# Altium PCB cyber60-alps.PcbDoc (part 3 of 4)
Units mm, origin at the board's own origin, x right, y up, seen from the top; angles counter-clockwise.
Board outline 284.73 x 94.2 mm, 2 copper layers (Component Side, Bottom Layer), stack 1.571 mm thick; 243 components, 151 nets, 841 pads, 663 vias.
Unrouted connection lines stored in the file: 6.
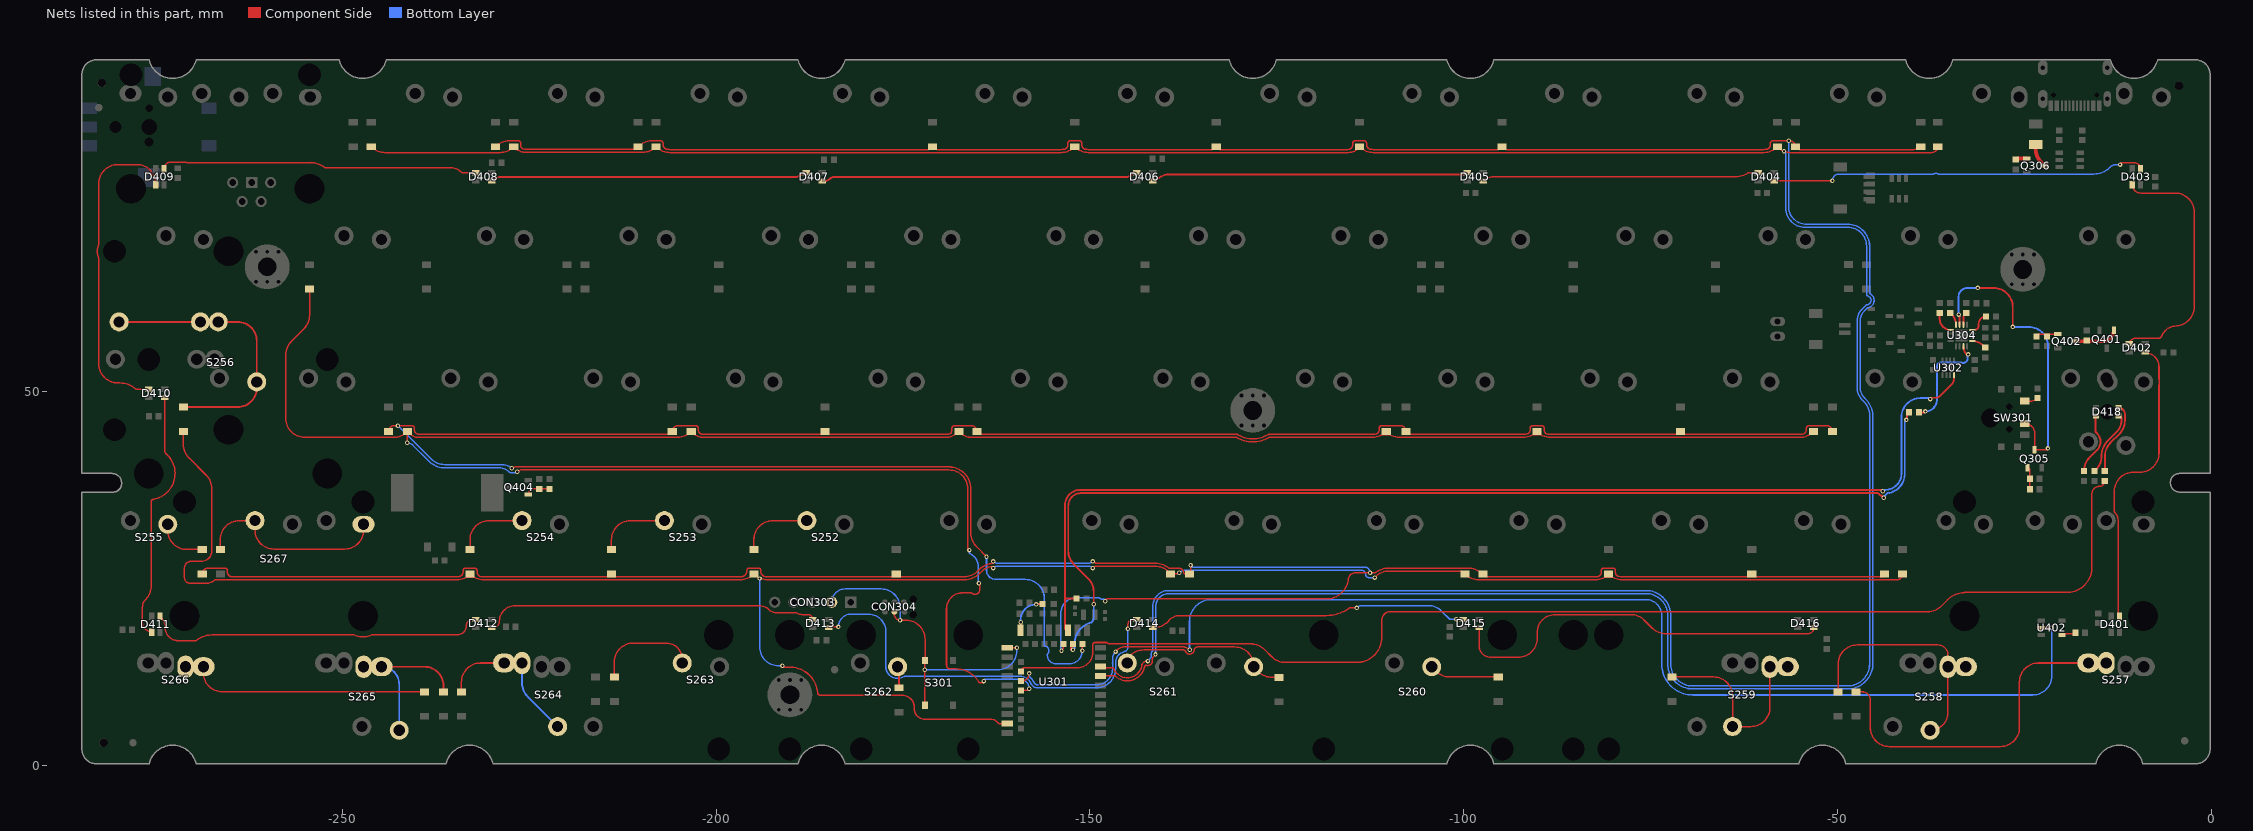
[diagram p3: the nets of this part, all layers, seen from the top]

## Via types
v1: diameter 0.6, hole 0.3, Component Side to Bottom Layer, tented both sides, 651 vias
v2: diameter 1, hole 0.5, Component Side to Bottom Layer, tented both sides, 5 vias
v3: diameter 1.5, hole 0.75, Component Side to Bottom Layer, tented both sides, 5 vias
v4: diameter 1.5, hole 0.8, Component Side to Bottom Layer, tented both sides, 2 vias

## Nets (pads, with @x,y where several pads share a name; then routed paths per layer and width w, separated by ;. In a path a pad name is that pad's centre, name@x,y a point inside that pad or via, vN(x,y) a via of type N, cw(c..) or ccw(c..) an arc to the next point about the centre after c; other vN are vias at no path point) (continued)
NetD252_1: D252.1 S252.1 | length 9.9
  Component Side w0.203: D252.1@-194.945,28.9 -194.945,30.225 cw(c-192.405,30.225) -192.405,32.765 S252.1@-187.862,32.765
NetD253_1: D253.1 S253.1 | length 9.9
  Component Side w0.203: D253.1@-213.995,28.9 -213.995,30.225 cw(c-211.455,30.225) -211.455,32.765 S253.1@-206.912,32.765
NetD254_1: D254.1 S254.1 | length 10.1
  Component Side w0.203: D254.1@-232.918,28.9 -232.918,30.225 cw(c-230.378,30.225) -230.378,32.765 S254.1@-225.962,32.765
  Component Side w0.254: S254.1@-226.272,33.075 S254.1@-226.002,33.345
NetD255_1: D255.1 S255.1 | length 6.9
  Component Side w0.203: S255.1@-273.35,32.265 -273.35,31.44 ccw(c-270.81,31.44) -270.81,28.9 D255.1@-268.732,28.9
NetD256_1: D256.1 S256.1 | length 35.1
  Component Side w0.254: S256.1@-279.861,59.345 S256.1@-268.98,59.345 ; D256.1@-271.272,47.95 -263.99,47.95 ccw(c-263.99,50.49) -261.45,50.49 S256.1@-261.45,51.315 -261.45,56.805 ccw(c-263.99,56.805) -263.99,59.345 S256.1@-266.599,59.345
NetD257_1: D257.1 S257.2 | length 45.8
  Component Side w0.203: D257.1@-47.498,9.85 -46.68,9.85 cw(c-46.68,8.763) -45.593,8.763 -45.593,5.08 ccw(c-43.053,5.08) -43.053,2.54 -28.194,2.54 ccw(c-28.194,5.08) -25.654,5.08 -25.654,11.175 cw(c-23.114,11.175) -23.114,13.715 S257.2@-16.412,13.715
NetD258_1: D258.1 S258.1 | length 32.1
  Component Side w0.203: D258.1@-49.911,9.85 -49.911,13.589 cw(c-47.371,13.589) -47.371,16.129 -36.576,16.129 cw(c-36.576,14.772) -35.219,14.772 S258.1@-35.219,13.215 -35.219,7.096 cw(c-37.6,7.096) S258.1@-37.6,4.715
NetD259_1: D259.1 S259.1 | length 25.6
  Component Side w0.203: D259.1@-72.136,11.85 -66.577,11.85 cw(c-66.577,9.31) -64.037,9.31 S259.1@-64.037,5.215 -61.577,5.215 ccw(c-61.577,7.755) -59.569,6.2 ccw(c-61.577,7.755) -59.037,7.755 S259.1@-59.037,13.215
NetD260_1: D260.1 S260.1 | length 9.4
  Component Side w0.203: S260.1@-104.28,13.215 -103.659,12.594 ccw(c-101.863,14.39) -101.863,11.85 D260.1@-95.377,11.85
NetD261_1: D261.1 S261.2 | length 23.2
  Component Side w0.203: S261.2@-144.818,14.516 -144.615,14.719 cw(c-142.819,12.923) -142.819,15.463 -137.495,15.463 cw(c-137.494,15.26) -137.493,15.463 cw(c-137.494,15.26) -137.471,15.462 cw(c-137.494,15.26) -137.454,15.459 ccw(c-137.332,16.053) -137.42,15.453 cw(c-137.552,14.594) -137.376,15.446 cw(c-137.418,15.247) -137.224,15.309 ccw(c-136.652,15.494) -137.078,15.069 ccw(c-136.652,15.494) -137.077,15.068 ccw(c-136.652,15.494) -136.652,14.892 ccw(c-136.652,15.494) -136.227,15.068 ccw(c-136.652,15.494) -136.226,15.069 ccw(c-136.652,15.494) -136.062,15.376 ; -136.062,15.377 ccw(c-136.652,15.494) -136.051,15.464 ; -136.051,15.465 cw(c-135.848,15.454) -136.044,15.509 cw(c-135.571,15.376) -135.571,15.867 -130.633,15.867 cw(c-130.633,13.327) -128.093,13.327 S261.2@-128.093,13.215 -127.417,12.539 ccw(c-125.621,14.335) -125.621,11.795 D261.1@-124.714,11.795
NetD262_1: D262.1 S262.1 | length 2.9
  Component Side w0.254: S262.1@-175.718,13.215 cw(c-175.718,13.011) -175.514,13.011 D262.1@-175.514,10.398
NetD263_1: D263.1 S263.1 | length 13.7
  Component Side w0.203: D263.1@-213.614,11.85 -213.614,13.843 cw(c-211.074,13.843) -211.074,16.383 -206.659,16.383 cw(c-206.659,14.295) S263.1@-204.571,14.295
NetD264_1: D264.1 S264.2 | length 18.9
  Component Side w0.203: D264.1@-234.061,9.85 -234.061,11.175 cw(c-231.521,11.175) -231.521,13.715 S264.2@-228.343,13.715
  Bottom Layer w0.254: S264.2@-225.962,13.715 -225.962,11.03 ccw(c-223.422,11.03) -225.218,9.234 S264.2@-221.199,5.215
NetD265_1: D265.1 S265.1 | length 20.4
  Component Side w0.254: S265.1@-244.769,13.215 -239.014,13.215 cw(c-239.014,10.675) -236.474,10.675 D265.1@-236.474,9.85
  Bottom Layer w0.254: S265.1@-244.769,13.215 cw(c-244.769,10.834) -242.388,10.834 S265.1@-242.388,4.715
NetD266_1: D266.1 S266.1 | length 31.8
  Component Side w0.203: S266.1@-268.587,13.215 -268.587,12.39 ccw(c-266.047,12.39) -266.047,9.85 D266.1@-239.014,9.85
NetD267_1: D267.1 S267.2 | length 26.9
  Component Side w0.203: D267.1@-266.319,28.9 -266.319,30.225 cw(c-263.779,30.225) -263.779,32.765 S267.2@-261.68,32.765 -261.68,31.496 ccw(c-259.14,31.496) -259.14,28.956 -249.695,28.956 ccw(c-249.695,31.496) -247.155,31.496 S267.2@-247.155,32.265
NetD401_2: D401.2 D402.4 | length 40
  Component Side w0.203: D401.2@-12.277,19.988 cw(c-12.277,20.176) -12.465,20.176 -12.465,32.632 cw(c-12.262,32.631) -12.464,32.645 ccw(c-14.031,32.765) -12.465,32.891 ccw(c-14.031,32.765) -12.513,33.172 ccw(c-14.031,32.765) -12.898,33.854 cw(c-12.751,33.994) -12.954,33.993 -12.954,36.678 cw(c-10.389,36.678) -10.389,39.243 -9.525,39.243 ccw(c-9.525,41.783) -8.749,39.365 ccw(c-9.525,41.783) -6.985,41.783 -6.985,50.945 cw(c-6.782,50.945) -6.982,50.978 ccw(c-9.031,51.315) -6.982,51.652 cw(c-6.782,51.685) -6.985,51.685 -6.985,53.347 ccw(c-8.841,53.347) D402.4@-8.524,55.176
NetD402_2: D402.2 D403.4 | length 34.9
  Component Side w0.203: D402.2@-10.971,56.303 cw(c-10.124,56.303) -10.124,57.15 -7.112,57.15 ccw(c-7.112,57.836) -6.753,57.252 ccw(c-6.859,57.425) -6.668,57.356 ccw(c-6.859,57.425) -6.667,57.357 ; D403.4@-10.55,77.685 ccw(c-9.446,77.685) -9.446,76.581 -4.826,76.581 cw(c-4.826,74.041) -2.286,74.041 -2.286,61.341 cw(c-4.826,61.341) -4.449,58.829 cw(c-4.826,61.341) -4.511,58.821 ccw(c-4.377,57.766) -4.62,58.801 ccw(c-4.62,56.627) -6.667,57.357 ; -6.426,57.836 ccw(c-4.62,56.627) -6.667,57.357
NetD403_2: D403.2 D404.4 | length 50.5
  Component Side w0.203: D404.4@-58.435,78.2 -58.403,78.232 v1(-50.673,78.232) ; v1(-12.192,80.391) cw(c-11.966,80.391) -11.966,80.617 -10.2,80.617 cw(c-10.2,80.315) -10.126,80.607 ; -10.125,80.607 ccw(c-10.076,80.804) -10.112,80.604 cw(c-10.252,79.815) D403.2@-9.45,79.815
  Bottom Layer w0.203: v1(-50.673,78.232) cw(c-49.784,78.232) -49.784,79.121 -37.973,79.121 -37.207,79.121 ccw(c-37.207,79.324) -37.112,79.145 cw(c-36.83,78.613) -36.548,79.145 ccw(c-36.453,79.324) -36.453,79.121 -35.052,79.121 -15.737,79.121 ccw(c-15.737,82.217) -14.115,79.579 ccw(c-15.737,82.217) -13.548,80.027 cw(c-12.669,79.148) -13.547,80.029 cw(c-12.669,79.148) -12.669,80.391 v1(-12.192,80.391)
NetD404_2: D404.2 D405.4 | length 37.1
  Component Side w0.203: D405.4@-97.368,78.2 cw(c-96.054,76.886) -96.054,78.744 -63.69,78.744 ccw(c-63.69,81.724) -62.008,79.265 cw(c-61.893,79.097) -61.892,79.3 D404.2@-60.565,79.3
NetD405_2: D405.2 D406.4 | length 42.4
  Component Side w0.254: D406.4@-141.585,78.2 -141.446,78.2 ccw(c-141.446,78.785) -141.033,78.371 cw(c-139.307,76.646) -139.307,79.086 -100.015,79.086 ccw(c-100.015,79.817) D405.2@-99.498,79.3
NetD406_2: D406.2 D407.4 | length 42.4
  Component Side w0.254: D407.4@-185.802,78.2 -185.475,78.2 ccw(c-185.475,79.176) -184.785,78.486 cw(c-184.222,77.923) -184.222,78.719 -145.164,78.719 ccw(c-145.164,79.808) -144.267,79.19 cw(c-144.058,79.046) -144.057,79.3 D406.2@-143.715,79.3
NetD407_2: D407.2 D408.4 | length 42.6
  Component Side w0.254: D408.4@-230.018,78.2 cw(c-228.765,76.947) -228.765,78.719 -189.422,78.719 ccw(c-189.422,79.947) -189.052,78.776 ccw(c-189.38,79.815) -188.487,79.191 cw(c-188.279,79.046) -188.277,79.3 D407.2@-187.932,79.3 cw(c-189.032,79.3) D407.2@-187.954,79.08
NetD408_2: D408.2 D409.4 | length 44
  Component Side w0.203: D409.4@-273.703,79.815 D409.4@-273.85,79.815 cw(c-272.938,79.815) -272.938,80.727 -270.974,80.727 cw(c-270.974,80.425) -270.796,80.668 ccw(c-270.677,80.833) -270.677,80.63 -261.493,80.63 -254.913,80.63 ccw(c-254.913,80.833) -254.884,80.632 cw(c-254.381,77.16) -253.704,80.603 cw(c-254.381,77.16) -252.301,79.985 ccw(c-252.18,80.149) -252.18,79.946 -238.252,79.946 -235.477,79.946 ; -236.728,79.946 -235.479,79.946 cw(c-235.479,79.39) -235.477,79.946 ; D408.2@-232.148,79.3 -233.924,79.3 cw(c-233.924,79.503) -234.069,79.361 ccw(c-235.458,78.003) -235.458,79.945 cw(c-235.46,80.149) -235.465,79.945 ccw(c-235.479,79.39) -235.477,79.946
NetD409_2: D409.2 D410.4 | length 44.1
  Component Side w0.203: -280.623,51.25 ccw(c-280.035,53.721) -280.035,51.181 ; D410.4@-275.996,50.437 D410.4@-275.893,50.334 -277.548,50.334 cw(c-277.548,50.537) -277.683,50.386 ccw(c-279.755,48.085) -279.755,51.181 -280.035,51.181 ; D409.2@-274.95,77.685 -274.95,77.85 ccw(c-277.49,77.85) -275.176,78.897 ccw(c-275.361,78.814) -275.337,79.016 cw(c-275.3,79.315) -275.602,79.315 -275.602,79.468 ccw(c-275.805,79.469) -275.658,79.609 ccw(c-277.49,77.85) -277.49,80.39 -280.035,80.39 ccw(c-280.035,77.85) -282.575,77.85 -282.575,69.818 cw(c-282.778,69.817) -282.593,69.734 ccw(c-280.465,68.783) -282.593,67.832 cw(c-282.778,67.749) -282.575,67.748 -282.575,53.721 ccw(c-280.035,53.721) -280.035,51.181
NetD410_2: D410.2 D411.4 | length 34.3
  Component Side w0.203: -276.31,22.215 ccw(c-275.287,21.193) -276.733,21.193 -276.733,19.118 ccw(c-275.55,19.118) D411.4@-275.55,17.935 ; -276.31,22.215 ccw(c-278.106,24.011) -275.566,24.011 -275.566,35.351 cw(c-275.362,35.351) -275.477,35.519 cw(c-275.003,34.824) -275.367,35.582 cw(c-275.28,35.399) -275.314,35.599 ; -275.313,35.599 ccw(c-275.888,39.06) -275.003,35.665 ccw(c-275.888,39.06) -274.204,35.982 ccw(c-275.888,39.06) -272.889,37.24 ccw(c-275.888,39.06) -272.387,38.835 ; D410.2@-273.763,49.234 -273.763,42.204 ccw(c-272.629,42.204) -273.706,41.849 ccw(c-273.513,41.912) -273.643,41.756 cw(c-275.888,39.06) -273.348,41.481 cw(c-274.682,40.147) -273.218,41.337 ccw(c-273.061,41.466) -273.216,41.334 cw(c-275.888,39.06) -272.387,38.836
NetD411_2: D411.2 D412.4 | length 45.8
  Component Side w0.203: D411.2@-274.45,20.065 -274.311,19.926 cw(c-275.822,18.415) -273.685,18.415 ccw(c-271.982,18.415) -271.984,16.712 ccw(c-271.982,18.415) -271.982,16.712 -269.623,16.712 ccw(c-269.623,16.915) -269.501,16.752 cw(c-267.311,13.831) -267.477,17.479 ; -267.476,17.479 cw(c-267.311,13.831) -267.311,17.483 -253.195,17.483 -252.984,17.483 -248.494,17.483 cw(c-248.493,17.279) -248.409,17.464 ccw(c-247.242,20.01) -246.075,17.464 cw(c-245.991,17.279) -245.99,17.483 -234.612,17.483 ccw(c-234.612,18.669) -233.426,18.669 cw(c-232.545,18.669) -232.545,19.55 D412.4@-232.148,19.55
NetD412_2: D412.2 D413.4 | length 45.4
  Component Side w0.203: D412.2@-230.018,18.45 -229.835,18.45 ccw(c-229.835,19.304) -228.981,19.304 cw(c-226.904,19.304) -226.904,21.381 -199.894,21.381 -199.725,21.381 ; D413.4@-187.065,19.55 ccw(c-187.686,19.55) -187.686,20.171 -188.341,20.171 cw(c-188.341,21.844) -189.216,20.418 ccw(c-189.321,20.244) -189.32,20.447 -192.002,20.447 cw(c-192.002,21.708) -192.893,20.816 ccw(c-194.256,19.453) -194.256,21.381 -194.844,21.381 -194.975,21.381 ccw(c-194.984,20.825) -194.993,21.381 -195.453,21.381 -199.574,21.381 ; -199.725,21.381 ccw(c-199.726,21.584) -199.723,21.381 cw(c-199.649,17.47) -199.576,21.381 ccw(c-199.573,21.584) -199.574,21.381 ; -199.725,21.381 -199.574,21.381
NetD413_2: D413.2 D414.4 | length 57.3
  Component Side w0.203: D413.2@-184.935,18.45 -184.843,18.542 v1(-183.642,18.542) ; v1(-144.907,18.288) -144.907,18.863 cw(c-144.294,18.863) -144.294,19.476 D414.4@-144.04,19.476
  Bottom Layer w0.203: v1(-183.642,18.542) cw(c-181.928,18.542) -183.353,19.494 cw(c-181.928,18.542) -181.928,20.256 -179.76,20.256 cw(c-179.76,17.716) -179.688,20.255 cw(c-179.76,17.716) -179.621,20.252 cw(c-179.621,17.921) -177.456,18.785 cw(c-179.621,17.921) -177.29,17.921 -177.29,13.215 ccw(c-175.718,13.215) -175.779,11.645 ; -176.695,11.984 ccw(c-175.718,13.215) -175.662,11.644 ; -175.661,11.644 ccw(c-175.718,13.215) -175.659,11.645 ccw(c-175.718,13.215) -174.851,11.904 cw(c-174.739,11.735) -174.74,11.938 -159.363,11.938 cw(c-159.363,10.287) -157.816,10.864 ccw(c-157.626,10.936) -157.771,10.793 -157.689,10.712 cw(c-158.115,10.287) -157.641,10.658 ccw(c-157.482,10.784) -157.627,10.642 ccw(c-157.078,11.189) -157.078,10.414 -149.105,10.414 ccw(c-149.105,12.954) -146.565,12.954 -146.565,13.578 cw(c-144.999,13.715) -146.571,13.716 cw(c-144.999,13.715) -146.419,14.389 cw(c-144.999,13.715) -145.725,15.109 cw(c-144.999,13.715) -145.287,15.26 ccw(c-145.326,15.46) -145.195,15.304 ccw(c-145.725,15.927) -144.907,15.927 v1(-144.907,18.288)
NetD414_2: D414.2 D415.4 | length 43.7
  Component Side w0.203: D414.2@-141.585,18.45 -141.406,18.45 ccw(c-141.406,20.99) -139.61,19.194 -139.53,19.273 cw(c-137.988,18.161) -139.367,19.47 cw(c-137.988,18.161) -137.988,20.063 -118.364,20.063 ccw(c-118.364,25.229) -115.513,20.921 ccw(c-118.364,25.229) -115.512,20.922 ccw(c-118.364,25.229) -115.336,21.043 ; -115.934,20.67 ccw(c-118.364,25.229) -115.336,21.043 ; v1(-114.3,21.082) -115.216,21.082 ccw(c-115.217,20.879) -115.335,21.044 ccw(c-115.217,20.879) -115.336,21.043 ; v1(-100.965,19.558) -100.073,19.558 D415.4@-100.065,19.55
  Bottom Layer w0.203: v1(-114.3,21.082) cw(c-113.541,20.323) -113.541,21.396 -104.745,21.396 cw(c-104.745,18.856) -102.948,20.652 -101.854,19.558 v1(-100.965,19.558)
NetD415_2: D415.2 D416.4 | length 53
  Component Side w0.203: D415.2@-97.935,18.45 -97.935,16.021 ccw(c-96.393,16.021) -96.393,14.479 -92.71,14.479 ccw(c-92.71,17.019) -90.17,17.019 -90.17,17.78 cw(c-87.762,17.78) -87.762,20.188 -77.629,20.188 cw(c-77.629,17.648) -75.832,19.444 -74.764,18.376 ccw(c-72.968,20.172) -72.968,17.632 -53.97,17.632 ccw(c-53.97,18.45) D416.4@-53.152,18.45
NetD418_1: D418.1 R411.2 | length 8.8
  Component Side w0.254: R411.2@-15.621,39.385 -15.412,39.594 ccw(c-17.184,41.366) -14.757,40.742 ccw(c-17.184,41.366) -14.678,41.366 cw(c-11.684,41.366) -14.642,41.829 cw(c-11.684,41.366) -13.8,43.484 -12.623,44.661 ccw(c-14.097,46.137) -12.266,45.137 ccw(c-14.097,46.137) -12.011,46.137 -12.011,46.489 ccw(c-12.265,46.487) -12.065,46.644 -12.139,46.644 D418.1@-12.412,46.765
NetD418_3: D418.3 R409.1 | length 9.9
  Component Side w0.254: R409.1@-14.224,39.385 -14.224,41.366 cw(c-11.684,41.366) -13.48,43.162 -12.301,44.341 ccw(c-14.097,46.137) -11.557,46.137 -11.557,47.009 ccw(c-12.412,47.009) D418.3@-12.412,47.865
NetD418_4: D418.4 R410.1 | length 8.3
  Component Side w0.254: R410.1@-17.018,39.385 -17.006,39.658 -17.006,39.661 cw(c-14.478,39.415) -16.275,41.21 -15.433,42.051 cw(c-15.255,41.871) -15.414,42.068 ; -15.414,42.068 ccw(c-16.412,43.315) -14.863,42.927 ccw(c-16.412,43.315) -15.161,44.307 ccw(c-16.412,43.315) -15.401,44.551 cw(c-15.239,44.747) -15.493,44.746 -15.493,46.542 D418.4@-15.412,46.765
NetF301_1: F301.1 Q306.3 | length 3.2
  Component Side w0.5: F301.1@-23.495,83.105 -23.495,82.516 ccw(c-20.955,82.516) -22.751,80.72 Q306.3@-22.295,80.264
NetL301_2: L301.2 U301.25 | length 5.5
  Component Side w0.203: U301.25@-159.263,18.106 -159.263,19.172 v1(-159.258,19.177)
  Component Side w0.254: v1@-157.226,21.59 cw(c-157.19,21.554) -157.19,21.605 L301.2@-156.337,21.605
  Bottom Layer w0.254: v1(-159.258,19.177) -159.258,19.486 cw(c-157.19,19.486) v1(-157.19,21.554)
NetQ305_1: Q305.1 R305.2 R306.1 | length 3
  Component Side w0.203: Q305.1@-24.572,39.821 cw(c-24.572,39.521) -24.272,39.521 R305.2@-24.272,36.957
NetQ305_3: Q305.3 SW301.2 U304.15 | length 41.8
  Component Side w0.203: SW301.2@-24.925,45.75 cw(c-24.925,44.447) -23.622,44.447 Q305.3@-23.622,42.221 -22.041,42.221 ccw(c-22.041,42.418) v1(-21.844,42.418)
  Component Side w0.254: v1(-33.782,60.325) cw(c-34.098,60.009) -33.651,60.009 U304.15@-33.651,58.981 ; v1(-31.242,63.881) -29.108,63.881 cw(c-29.108,61.316) -26.543,61.316 v1(-26.543,58.674)
  Bottom Layer w0.254: v1(-33.782,60.325) -33.782,62.738 cw(c-32.639,62.738) -32.639,63.881 v1(-31.242,63.881) ; v1(-26.543,58.674) -24.409,58.674 cw(c-24.409,56.109) -21.844,56.109 v1(-21.844,42.418)
NetQ306_1: Q306.1 R315.1 | length 1.5
  Component Side w0.5: R315.1@-26.162,81.041 cw(c-25.744,80.623) -25.744,81.214 Q306.1@-24.695,81.214
NetQ401_1: Q401.1 Q402.3 R402.1 | length 5.9
  Component Side w0.5: Q402.3@-18.104,56.769 -14.474,56.769 ccw(c-14.474,58.223) Q401.1@-13.02,58.223
NetQ402_1: Q402.1 R401.2 R403.1 | length 3
  Component Side w0.203: R401.2@-23.368,57.419 cw(c-23.068,57.419) -23.068,57.719 Q402.1@-20.504,57.719
NetQ404_1: Q404.1 R406.1 R407.1 | length 3.3
  Component Side w0.203: Q404.1@-225.114,36.261 cw(c-224.357,36.261) -224.357,37.018 R407.1@-223.678,37.018 R406.1@-222.281,37.018
NetR307_1: R307.1 U304.14 | length 1.7
  Component Side w0.254: U304.14@-33.151,58.981 -33.151,59.941 cw(c-32.27,59.941) R307.1@-32.893,60.564
NetR308_1: R308.1 U304.12 | length 3
  Component Side w0.254: U304.12@-31.951,58.281 -31.635,58.281 ccw(c-31.635,58.801) -31.115,58.801 -31.115,59.07 cw(c-30.114,59.07) R308.1@-30.114,60.071
NetR310_1: R310.1 U304.16 | length 1.8
  Component Side w0.254: R310.1@-34.925,60.564 -34.723,60.362 cw(c-36.104,58.981) U304.16@-34.151,58.981
NetR311_1: R311.1 SW301.1 | length 1.8
  Component Side w0.203: SW301.1@-24.925,48.75 -24.168,48.75 ccw(c-24.168,50.061) R311.1@-23.241,49.134
NetR312_1: R312.1 U304.9 | length 2
  Component Side w0.254: U304.9@-31.951,56.781 cw(c-31.951,54.755) -30.519,56.188 R312.1@-30.226,55.895
NetR313_1: R313.1 U304.1 | length 3.1
  Component Side w0.254: R313.1@-36.322,60.564 -36.322,59.752 ccw(c-34.851,59.752) U304.1@-34.851,58.281
NetR314_1: R314.1 U304.7 | length 14.5
  Component Side w0.254: R314.1@-39.101,47.244 -38.352,47.244 ccw(c-38.352,47.371) v1(-38.225,47.371) ; U304.7@-33.151,56.081 ccw(c-31.449,56.081) -32.652,54.877 v1@-32.639,54.864
  Bottom Layer w0.254: v1@-38.227,47.371 v1(-38.225,47.371) ccw(c-38.225,48.893) -36.703,48.893 -36.703,53.34 cw(c-36.115,53.34) -36.115,53.928 -33.493,53.928 ccw(c-33.2,54.483) -32.61,54.696 cw(c-32.371,54.78) v1(-32.512,54.991)
NetR404_2: R404.2 U402.4 | length 2.1
  Component Side w0.203: U402.4@-20.016,17.337 cw(c-19.707,17.028) U402.4@-19.707,17.465 ; U402.4@-19.707,17.465 cw(c-19.253,17.011) -19.253,17.653 R404.2@-18.049,17.653
P0.02/AIN0: D201.2 D203.2 D205.2 D207.2 D209.2 D211.2 D213.2 U301.7 | length 403.1
  Component Side w0.203: D213.2@-229.489,82.78 -229.429,82.84 cw(c-227.686,81.097) -227.686,83.562 -226.466,83.562 cw(c-226.466,83.235) -226.139,83.235 -226.139,82.947 ccw(c-225.619,82.947) -225.886,82.5 ccw(c-225.78,82.674) -225.825,82.476 ccw(c-225.379,84.477) -225.379,82.427 -211.207,82.427 ccw(c-211.301,83.642) D211.2@-210.536,82.693 ; D211.2@-210.439,82.78 cw(c-211.301,83.642) D211.2@-210.536,82.693 ; U301.7@-148.25,12 -146.728,12 cw(c-146.727,11.797) -146.591,11.948 ccw(c-144.999,13.715) -144.866,11.341 ccw(c-144.999,13.715) -142.777,12.868 ccw(c-144.999,13.715) -142.67,13.24 cw(c-142.47,13.199) -142.412,13.394 ccw(c-142.24,13.97) -141.833,13.527 ccw(c-142.24,13.97) -141.668,14.156 ; -141.832,13.528 ccw(c-142.24,13.97) -141.668,14.156 ; v1(-141.224,14.859) -141.269,14.814 ccw(c-139.531,13.075) -141.65,14.322 ccw(c-141.475,14.219) -141.678,14.219 ccw(c-141.475,14.219) -141.668,14.156 ; D201.2@-38.862,82.78 cw(c-39.777,83.695) -39.777,82.401 -51.054,82.401 -55.057,82.401 cw(c-55.057,82.604) -55.155,82.426 cw(c-54.151,84.255) D203.2@-55.626,82.78 ccw(c-56.408,82.78) -56.408,83.562 -58.649,83.562 ccw(c-58.649,83.235) -58.976,83.235 -58.976,83.034 cw(c-59.609,83.034) -59.282,82.492 cw(c-59.386,82.667) -59.335,82.47 cw(c-59.873,84.538) -59.873,82.401 -91.313,82.401 -94.243,82.401 cw(c-94.243,82.604) -94.319,82.416 cw(c-93.701,83.948) D205.2@-94.869,82.78 cw(c-96.344,84.255) -95.341,82.426 cw(c-95.438,82.604) -95.438,82.401 -97.917,82.401 -112.085,82.401 cw(c-112.085,84.538) -112.625,82.471 cw(c-112.572,82.667) -112.68,82.495 cw(c-112.349,83.034) -112.982,83.034 -112.982,83.235 ccw(c-113.309,83.235) -113.309,83.562 -114.529,83.562 ccw(c-114.529,83.235) -114.856,83.235 -114.856,83.034 cw(c-115.489,83.034) -115.489,82.401 -127,82.401 -132.553,82.401 cw(c-132.553,82.604) -132.662,82.433 cw(c-131.314,84.562) D207.2@-133.096,82.78 cw(c-134.571,84.255) -133.568,82.426 cw(c-133.665,82.604) -133.665,82.401 -136.271,82.401 -150.185,82.401 cw(c-150.185,84.538) -150.725,82.471 cw(c-150.672,82.667) -150.78,82.495 cw(c-150.449,83.034) -151.082,83.034 -151.082,83.235 ccw(c-151.409,83.235) -151.409,83.562 -152.629,83.562 ccw(c-152.629,83.235) -152.956,83.235 -152.956,83.034 cw(c-153.589,83.034) -153.262,82.492 cw(c-153.366,82.667) -153.315,82.47 cw(c-153.853,84.538) -153.853,82.401 -169.418,82.401 -170.443,82.401 cw(c-170.443,82.604) -170.519,82.416 cw(c-169.901,83.948) D209.2@-171.069,82.78 cw(c-172.544,84.255) -171.541,82.426 cw(c-171.638,82.604) -171.638,82.401 -173.482,82.401 -206.192,82.401 cw(c-206.192,84.538) -206.732,82.471 cw(c-206.679,82.667) -206.787,82.495 cw(c-206.456,83.034) -207.089,83.034 -207.089,83.235 ccw(c-207.416,83.235) -207.416,83.562 -208.636,83.562 ccw(c-208.636,81.307) -210.23,82.902 -210.439,82.693 D211.2@-210.536,82.693
  Bottom Layer w0.203: v1(-141.224,14.859) cw(c-141.094,15.015) -141.268,15.12 ccw(c-141.786,15.435) -141.18,15.437 -141.18,21.276 cw(c-139.446,21.276) -141.097,21.803 cw(c-139.446,21.276) -140.646,22.527 cw(c-139.446,21.276) -139.757,22.981 cw(c-139.446,21.276) -139.446,23.009 -75.648,23.009 cw(c-75.648,20.066) -73.805,22.361 cw(c-75.648,20.066) -72.704,20.066 -72.704,15.367 -72.704,14.986 -72.704,13.589 ccw(c-69.358,13.589) -72.704,13.585 ccw(c-69.358,13.589) -72.315,12.022 ccw(c-69.358,13.589) -71.567,11.075 ccw(c-69.358,13.589) -71.169,10.775 ccw(c-69.358,13.589) -69.358,10.243 -48.641,10.243 ccw(c-48.641,13.589) -46.275,11.223 ccw(c-48.641,13.589) -45.437,12.622 cw(c-45.243,12.563) -45.428,12.647 ccw(c-46.736,13.252) -45.295,13.252 -45.295,46.854 ccw(c-48.269,46.854) -46.168,48.959 -46.356,49.147 cw(c-44.88,50.624) -46.931,50.236 cw(c-46.731,50.272) -46.933,50.246 cw(c-45.212,50.455) -46.946,50.455 -46.946,59.527 cw(c-45.212,59.527) -46.436,60.755 -45.999,61.192 cw(c-45.856,61.047) -45.898,61.246 ccw(c-46.101,62.23) -45.598,63.1 cw(c-45.495,63.275) -45.698,63.274 -45.698,69.469 ccw(c-48.641,69.469) -48.641,72.412 -54.102,72.412 cw(c-54.102,74.952) -56.328,73.729 cw(c-56.149,73.825) -56.337,73.748 cw(c-54.356,74.549) -56.493,74.549 -56.493,83.544 ccw(c-56.515,83.544) v1(-56.515,83.566)
P0.05: R303.2 U301.15 U302.8 | length 150.8
  Component Side w0.254: U301.15@-152.913,18.106 -153.186,18.224 -153.293,18.224 cw(c-153.095,18.382) -153.347,18.406 ccw(c-154.183,18.492) -153.343,18.492 -153.343,22.352 ; R303.2@-151.78,22.352 -153.343,22.352 ; v1@-43.942,36.884 -151.232,36.884 ccw(c-151.232,34.773) -153.343,34.773 -153.343,22.352 ; v1(-37.592,49.022) cw(c-37.155,48.585) -37.155,49.203 -36.834,49.203 ccw(c-36.834,49.978) -36.286,49.43 -34.73,50.986 ccw(c-35.457,51.713) -34.429,51.713 U302.8@-34.429,52.268
  Bottom Layer w0.254: v1(-43.942,36.703) ccw(c-43.942,36.957) -43.747,36.794 cw(c-43.553,36.63) -43.555,36.884 ccw(c-43.561,38.989) -43.421,36.889 ccw(c-43.561,38.989) -41.456,38.989 -41.456,46.584 cw(c-38.891,46.584) -38.891,49.149 -37.719,49.149 -37.645,49.075 v1(-37.592,49.022)
P0.06: R314.2 U301.14 | length 146
  Component Side w0.203: v1@-152.527,15.494 -152.527,16.002 U301.14@-152.273,16.256
  Component Side w0.254: v1(-149.479,21.59) -149.479,23.205 ccw(c-152.019,23.205) -150.223,25.001 -152.145,26.923 cw(c-150.349,28.719) -152.889,28.719 -152.889,34.773 cw(c-151.232,34.773) -151.232,36.43 -44.647,36.43 cw(c-44.648,36.176) -44.445,36.328 ccw(c-43.942,36.703) -44.147,36.111 cw(c-44.231,35.871) -44.052,36.051 v1(-43.815,35.814) ; v1(-40.767,46.228) -40.674,46.321 -40.674,46.971 R314.2@-40.401,47.244
  Bottom Layer w0.254: v1(-152.273,15.494) ccw(c-152.321,15.743) -152.067,15.742 -152.067,16.256 cw(c-149.098,16.256) -150.304,18.969 cw(c-149.098,16.256) -149.852,19.127 ccw(c-149.918,19.372) -149.748,19.184 ccw(c-150.304,19.793) -149.479,19.793 v1(-149.479,21.59) ; v1(-43.815,35.814) cw(c-43.508,35.814) -43.725,36.031 -43.314,36.442 ccw(c-43.561,38.989) -41.002,38.989 -41.002,45.919 cw(c-40.748,45.918) -40.872,46.139 ccw(c-41.021,46.408) -40.804,46.191 v1(-40.767,46.228)
P0.08: D243.2 D245.2 D247.2 D249.2 D251.2 D253.2 D255.2 U301.16 | length 285
  Component Side w0.203: D255.2@-268.732,25.63 cw(c-267.95,25.63) -267.95,26.412 -265.709,26.412 cw(c-265.709,26.085) -265.382,26.085 -265.382,25.917 -265.382,25.86 ccw(c-264.795,25.86) -264.795,25.273 -234.466,25.273 ccw(c-234.466,25.884) -233.855,25.884 -233.855,26.085 cw(c-233.528,26.085) -233.528,26.412 -232.308,26.412 cw(c-232.308,26.085) -231.981,26.085 -231.981,25.884 ccw(c-231.348,25.884) -231.679,25.345 ccw(c-231.571,25.517) -231.624,25.321 ccw(c-231.084,27.388) -231.084,25.251 -213.995,25.251 -199.136,25.251 -196.78,25.251 ccw(c-196.78,27.388) -196.61,25.258 ccw(c-196.716,26.085) -195.882,26.085 cw(c-195.555,26.085) -195.555,26.412 -194.335,26.412 cw(c-194.335,26.085) -194.008,26.085 -194.008,25.882 ccw(c-193.384,25.882) -193.951,25.622 ccw(c-193.767,25.708) -193.873,25.535 cw(c-194.183,25.019) -193.701,25.38 ccw(c-193.54,25.502) -193.586,25.305 ccw(c-193.111,27.388) -193.293,25.259 ; -193.277,25.258 -166.802,25.258 ccw(c-166.802,27.798) -165.006,26.002 -164.719,26.289 cw(c-162.923,24.493) v1@-162.923,27.033 ; v1(-153.797,15.367) -153.797,15.415 -153.543,15.669 U301.16@-153.543,16.256 ; v1(-149.606,27.305) cw(c-149.606,26.998) -149.389,27.215 -149.297,27.123 ccw(c-149.154,27.268) -149.133,27.065 cw(c-148.993,25.803) -148.993,27.073 -141.284,27.073 cw(c-141.284,24.13) -139.448,26.43 ccw(c-139.322,26.59) -139.323,26.387 -138.053,26.387 -138.049,26.383 cw(c-138.049,25.781) -137.449,25.828 ccw(c-137.247,25.846) -137.269,25.644 ccw(c-137.002,28.17) D249.2@-137.161,25.635 ; v1(-147.955,21.971) cw(c-147.641,21.971) -147.641,22.285 -118.364,22.285 ccw(c-118.364,25.229) -117.029,22.606 ccw(c-118.364,25.229) -115.831,23.73 ccw(c-118.364,25.229) -115.464,24.726 ccw(c-118.364,25.229) -115.453,24.795 cw(c-115.252,24.765) -115.453,24.796 cw(c-115.252,24.765) -115.434,24.855 cw(c-114.508,24.855) -114.508,25.781 v1(-112.522,25.781) -111.864,25.781 ccw(c-111.864,25.984) -111.741,25.822 cw(c-109.968,23.473) -109.968,26.416 -99.402,26.416 cw(c-99.402,23.876) -97.606,25.672 -97.564,25.63 D247.2@-97.409,25.63 ccw(c-96.241,26.798) -96.859,25.266 ccw(c-96.783,25.454) -96.783,25.251 -92.583,25.251 -82.403,25.251 ccw(c-82.403,27.388) -82.015,25.287 ccw(c-82.052,25.487) -81.976,25.298 ccw(c-82.215,25.884) -81.582,25.884 -81.582,26.085 cw(c-81.255,26.085) -81.255,26.412 -80.035,26.412 cw(c-80.035,26.085) -79.708,26.085 -79.708,25.884 ccw(c-79.075,25.884) -79.406,25.345 ccw(c-79.298,25.517) -79.351,25.321 ccw(c-78.811,27.388) -79.243,25.295 ccw(c-78.811,27.388) -78.811,25.251 -50.546,25.251 -43.915,25.251 ccw(c-43.915,25.454) -43.719,25.4 ccw(c-44.553,25.63) D243.2@-43.688,25.63 ; D249.2@-137.16,25.635 -137.002,25.63 D249.2@-136.652,25.63 ccw(c-136.958,25.936) -136.525,25.936 v1(-136.525,26.797)
  Bottom Layer w0.203: v1(-162.941,27.305) ccw(c-162.753,27.383) v1@-162.898,27.24 ; v1(-162.941,27.305) ccw(c-162.381,27.865) -162.381,27.073 -150.166,27.073 ccw(c-150.166,27.865) v1(-149.606,27.305) ; v1(-153.797,15.367) cw(c-153.797,15.472) -153.902,15.472 -153.902,20.32 cw(c-151.765,20.32) -153.337,21.767 cw(c-153.189,21.629) -153.333,21.772 -153.217,21.888 cw(c-153.074,21.744) -153.212,21.892 cw(c-151.765,20.32) -151.765,22.457 -148.864,22.457 cw(c-148.865,22.254) -148.732,22.407 ccw(c-148.336,22.86) -148.202,22.273 cw(c-148.158,22.075) -147.955,22.076 v1(-147.955,21.971) ; v1@-136.398,26.543 -113.284,26.543 cw(c-113.284,25.781) v1(-112.522,25.781)
P0.09/NFC1: D244.2 D246.2 D248.2 D250.2 D252.2 D254.2 D256.2 U301.41 | length 306.8
  Component Side w0.203: D256.2@-271.272,44.68 -271.272,42.962 ccw(c-268.732,42.962) -270.528,41.166 -268.206,38.844 cw(c-270.002,37.048) -267.462,37.048 -267.462,28.702 cw(c-268.859,28.702) -268.859,27.305 -270.256,27.305 ccw(c-270.256,26.443) -271.118,26.443 -271.118,25.115 ccw(c-270.397,25.115) -270.397,24.394 -268.077,24.394 ccw(c-268.077,25.747) -267.121,24.79 cw(c-266.979,24.645) -266.978,24.848 -234.676,24.848 ccw(c-234.676,27.388) D254.2@-233.428,25.176 ; D254.2@-232.88,25.592 cw(c-234.676,27.388) D254.2@-233.428,25.176 ; v1(-191.135,13.335) ccw(c-190.952,13.335) -190.952,13.152 -190.258,13.152 cw(c-190.119,9.45) -187.337,11.897 cw(c-190.119,9.45) -186.426,9.748 cw(c-190.119,9.45) -186.423,9.708 ccw(c-186.221,9.724) -186.42,9.687 ccw(c-186.098,9.748) -186.098,9.42 -175.112,9.42 cw(c-175.112,7.812) -173.504,7.812 -173.504,7.62 ccw(c-172.085,7.62) -172.085,6.201 -163.278,6.201 cw(c-163.278,4.953) -162.263,5.68 ccw(c-162.099,5.799) -162.1,5.596 U301.41@-161.063,5.596 ; v1@-162.923,26.63 ccw(c-162.923,24.493) -164.433,26.004 -164.721,25.716 cw(c-166.802,27.798) -164.892,25.559 cw(c-166.802,27.798) -166.802,24.855 -168.475,24.855 ccw(c-168.476,24.652) -168.526,24.849 -168.529,24.848 -193.111,24.848 cw(c-193.111,27.388) -194.907,25.592 D252.2@-194.945,25.63 -194.984,25.592 cw(c-196.78,27.388) -196.78,24.848 -231.084,24.848 cw(c-231.084,27.388) -232.332,25.176 D254.2@-233.428,25.176 ; v1(-149.606,26.416) cw(c-148.993,25.803) -148.993,26.67 -141.284,26.67 cw(c-141.284,24.13) -139.488,25.926 D250.2@-139.192,25.63 -138.414,25.63 ccw(c-138.414,26.146) v1(-138.049,25.781) ; v1(-111.887,25.146) -111.764,25.269 cw(c-109.968,23.473) -109.968,26.013 -100.746,26.013 cw(c-100.746,24.706) D248.2@-99.822,25.63 -99.762,25.57 ccw(c-98.019,27.313) -98.019,24.848 -82.403,24.848 ccw(c-82.403,27.388) D246.2@-81.155,25.176 ; D246.2@-80.607,25.592 cw(c-82.403,27.388) D246.2@-81.155,25.176 ; D244.2@-41.275,25.63 cw(c-42.057,25.63) -42.057,24.848 -78.811,24.848 cw(c-78.811,27.388) -80.059,25.176 D246.2@-81.155,25.176
  Bottom Layer w0.203: v1(-194.183,25.019) -194.183,15.875 ccw(c-191.643,15.875) -191.643,13.335 v1(-191.135,13.335) ; v1(-162.941,26.416) cw(c-162.328,25.803) -162.328,26.67 -150.219,26.67 cw(c-150.219,25.803) v1(-149.606,26.416) ; v1(-138.049,25.781) cw(c-137.183,24.915) -137.183,26.14 -113.688,26.14 cw(c-113.688,25.564) -113.112,25.564 ccw(c-112.694,25.564) -112.694,25.146 v1(-111.887,25.146)
P0.17: R409.2 U301.30 | length 166.9
  Component Side w0.203: U301.30@-159.213,12.581 cw(c-158.713,12.581) -158.713,13.081 -151.672,13.081 ccw(c-151.672,15.138) -149.615,15.138 -149.615,16.156 cw(c-149.313,16.156) -149.313,16.458 -147.813,16.458 cw(c-147.813,16.156) -147.578,16.345 ccw(c-147.42,16.473) -147.421,16.27 -128.447,16.27 cw(c-128.447,13.73) -126.651,15.526 -125.668,14.543 ccw(c-123.871,16.339) -123.871,13.799 -114.3,13.799 ccw(c-114.3,17.145) -111.729,15.003 ccw(c-114.3,17.145) -110.954,17.145 -110.954,18.078 cw(c-110.75,18.077) -110.951,18.108 ccw(c-111.633,18.216) -110.943,18.216 -110.943,19.59 cw(c-109.793,19.431) -110.636,20.229 cw(c-110.489,20.088) -110.615,20.248 ; -110.615,20.248 -110.576,20.278 ccw(c-110.947,20.758) -110.519,20.329 -110.493,20.354 cw(c-110.35,20.209) -110.471,20.373 cw(c-109.793,19.431) -110.358,20.445 cw(c-110.26,20.267) -110.345,20.451 ; -110.345,20.451 -110.3,20.472 ccw(c-110.557,21.022) -110.284,20.48 -110.248,20.498 cw(c-110.158,20.316) -110.237,20.503 cw(c-109.793,19.431) -109.793,20.592 -37.889,20.592 ccw(c-37.889,23.132) -36.093,21.336 -35.286,22.143 ccw(c-35.43,22.287) -35.282,22.147 cw(c-32.994,20.01) -33.076,23.14 ccw(c-33.082,23.343) -33.032,23.145 -33.021,23.148 ; -33.02,23.149 -19.329,23.149 ccw(c-19.329,25.973) -19.326,23.149 -19.162,23.149 cw(c-19.111,22.952) -19.124,23.155 ccw(c-19.329,26.521) -15.964,26.316 cw(c-15.761,26.302) -15.958,26.354 -15.958,27.771 -15.958,36.366 cw(c-14.986,36.366) -14.986,37.338 -14.971,37.338 ccw(c-14.971,38.085) R409.2@-14.224,38.085
P0.18/RESET: CON303.2 CON304.3 S301.2 U301.26 | length 43.9
  Component Side w0.203: CON304.3@-176.149,20.574 -176.149,20.193 ccw(c-175.387,20.193) v1(-175.387,19.431) -174.595,19.431 cw(c-174.595,16.891) -172.055,16.891 S301.2@-172.055,14.049 ccw(c-172.055,14.019) -172.085,14.019 v1(-172.085,12.827) -172.085,8.121 ccw(c-171.983,8.121) S301.2@-172.055,8.049 ; U301.26@-161.063,15.756 -159.766,15.756 v1(-159.766,15.748)
  Bottom Layer w0.203: CON303.2@-184.531,21.844 cw(c-182.753,21.844) -182.753,23.622 -177.927,23.622 cw(c-177.927,21.082) -175.387,21.082 v1(-175.387,19.431) ; v1(-172.085,12.827) -162.306,12.827 ccw(c-162.306,15.367) -159.766,15.367 v1(-159.766,15.748)
P0.20: U301.32 U402.2 | length 168.3
  Component Side w0.203: U301.32@-159.213,11.311 -159.123,11.311 ccw(c-159.123,12.319) v1(-158.115,12.319) ; v1(-146.558,15.24) -146.297,15.501 cw(c-145.415,14.62) -145.415,15.867 -137.496,15.867 cw(c-137.494,15.26) -137.384,15.856 ccw(c-137.349,16.057) -137.379,15.856 ; -137.472,15.867 cw(c-137.472,15.463) -137.38,15.856 ; v1(-136.652,15.494) ccw(c-137.552,14.594) -137.362,15.852 cw(c-137.332,16.053) -137.379,15.856 ; U402.2@-22.457,18.415 v1(-21.336,18.415)
  Bottom Layer w0.203: v1(-158.115,12.319) -158.115,12.015 ccw(c-157.912,12.016) -158.043,11.861 cw(c-159.363,10.287) -157.85,11.677 ccw(c-157.701,11.815) -157.846,11.672 -157.775,11.601 cw(c-157.918,11.457) -157.73,11.533 ; -157.77,11.584 cw(c-159.363,10.287) -157.73,11.533 ; -157.342,10.929 ccw(c-158.115,10.287) -157.405,10.998 ; -157.334,10.919 ccw(c-158.115,10.287) -157.342,10.929 ; v1(-146.558,15.24) ccw(c-145.567,14.249) -146.725,15.038 ccw(c-145.567,14.249) -146.968,14.249 -146.968,13.875 cw(c-147.172,13.876) -146.969,13.862 ccw(c-144.999,13.715) -146.968,13.562 -146.968,12.942 cw(c-149.105,12.954) -149.105,10.817 -157.078,10.817 cw(c-157.078,11.189) -157.318,10.905 cw(c-157.186,11.06) -157.342,10.929 ; v1(-136.652,15.494) -136.674,15.516 -136.674,19.26 cw(c-133.731,19.26) -135.367,21.706 ccw(c-135.48,21.875) -135.36,21.711 cw(c-133.858,19.663) -133.858,22.203 -75.648,22.203 cw(c-75.648,20.066) -74.157,21.597 cw(c-75.648,20.066) -73.511,20.066 -73.511,14.351 -73.511,13.589 ccw(c-69.358,13.589) -73.511,13.583 ccw(c-69.358,13.589) -73.015,11.621 ccw(c-69.358,13.589) -71.717,10.171 ccw(c-69.358,13.589) -69.358,9.436 -23.876,9.436 ccw(c-23.876,11.976) -21.336,11.976 v1(-21.336,18.415) ; -157.73,11.533 cw(c-159.363,10.287) -157.469,11.082 ; -157.73,11.533 cw(c-159.363,10.287) -157.469,11.082 ; -157.469,11.082 ccw(c-157.282,11.162) -157.427,11.02 ; -157.469,11.082 ccw(c-157.282,11.162) -157.427,11.02 ; -157.427,11.02 -157.405,10.998 ; -157.405,10.998 cw(c-158.115,10.287) -157.342,10.929
P0.22: D230.2 D232.2 D234.2 D236.2 D238.2 D240.2 D242.2 U301.34 | length 348.2
  Component Side w0.203: D242.2@-254.381,63.73 -254.381,60.234 cw(c-256.921,60.234) -255.125,58.438 -256.812,56.751 ccw(c-255.016,54.955) -257.556,54.955 -257.556,46.438 ccw(c-255.016,46.438) -255.016,43.898 -243.134,43.898 ccw(c-243.134,46.438) -241.338,44.642 D240.2@-241.3,44.68 ; v1(-241.3,43.18) D240.2@-241.3,44.68 ; v1(-226.6,39.3) cw(c-226.007,38.707) -226.007,39.546 -168.866,39.546 cw(c-168.866,37.006) -166.326,37.006 -166.326,29.039 ccw(c-166.116,29.039) -166.311,28.962 ccw(c-166.116,29.039) v1(-166.116,28.829) ; D238.2@-203.913,44.226 cw(c-205.161,46.438) -205.161,43.898 -239.73,43.898 cw(c-239.73,45.8) -241.075,44.455 D240.2@-241.3,44.68 ; D238.2@-203.365,44.642 ccw(c-201.569,46.438) -203.187,44.48 ccw(c-201.569,46.438) -201.569,43.898 -169.347,43.898 ccw(c-169.347,46.438) -167.766,44.45 ccw(c-169.347,46.438) -167.551,44.642 ccw(c-165.755,46.438) -165.755,43.898 -130.448,43.898 cw(c-130.447,43.695) -130.344,43.87 ccw(c-128.212,47.5) -126.08,43.87 cw(c-125.977,43.695) -125.976,43.898 -112.197,43.898 ccw(c-112.197,46.438) -110.949,44.226 D234.2@-109.853,44.226 ; v1(-164.846,24.384) cw(c-164.846,24.29) -164.752,24.29 -164.752,23.495 cw(c-165.354,23.495) -165.75,23.042 ccw(c-165.883,22.889) -165.882,23.092 -167.043,23.092 ccw(c-167.043,20.955) -167.51,23.04 ccw(c-167.043,20.955) -169.18,20.955 -169.18,13.44 ccw(c-168.656,13.44) -169.156,13.284 -169.152,13.272 ccw(c-168.656,13.44) -168.656,12.916 -167.894,12.916 cw(c-167.894,9.398) -166.45,12.606 cw(c-167.894,9.398) -164.868,11.192 ccw(c-164.694,11.297) -164.695,11.093 v1@-164.211,11.093 ; U301.34@-159.213,10.041 -158.361,10.041 ccw(c-158.361,10.287) v1(-158.115,10.287) ; D234.2@-110.401,44.642 ccw(c-108.605,46.438) D234.2@-109.853,44.226 ; D232.2@-90.208,44.642 ccw(c-88.412,46.438) D232.2@-89.66,44.226 ; D230.2@-53.586,44.68 D230.2@-53.213,44.68 -53.251,44.642 cw(c-55.047,46.438) -55.047,43.898 -88.412,43.898 cw(c-88.412,46.438) D232.2@-89.66,44.226 ; D234.2@-109.853,44.226 ccw(c-108.605,46.438) -108.605,43.898 -92.004,43.898 ccw(c-92.004,46.438) -90.756,44.226 D232.2@-89.66,44.226
  Bottom Layer w0.203: v1(-241.3,43.18) cw(c-241.3,42.19) -240.601,42.891 ; -240.6,42.89 -238.586,40.876 -238.409,40.699 ccw(c-236.311,42.799) -236.77,39.866 ccw(c-236.311,42.799) -236.311,39.83 -229.045,39.83 cw(c-229.045,37.916) -227.786,39.358 ccw(c-227.33,39.751) -227.693,39.271 -227.691,39.27 ccw(c-227.33,39.751) -227.33,39.149 -226.964,39.149 ccw(c-226.964,39.664) v1(-226.6,39.3) ; v1(-166.116,28.829) -166.116,28.556 ccw(c-165.313,28.556) -166.111,28.465 ccw(c-165.909,28.488) -165.994,28.303 cw(c-166.751,26.67) -165.314,27.754 cw(c-166.751,26.67) -165.313,27.753 cw(c-166.751,26.67) -165.059,27.285 cw(c-166.751,26.67) -164.951,26.67 -164.951,24.762 cw(c-165.557,24.761) v1@-164.967,24.62 ; v1(-164.211,11.303) -164.211,11.332 cw(c-164.008,11.332) -164.008,11.535 -159.363,11.535 cw(c-159.363,10.287) v1(-158.115,10.287)
P0.26: D229.2 D231.2 D233.2 D235.2 D237.2 D239.2 D241.2 U301.12 | length 318.8
  Component Side w0.203: D241.2@-243.84,44.68 cw(c-243.058,44.68) -243.058,45.462 -240.69,45.462 cw(c-240.69,45.135) -240.363,45.135 -240.363,44.934 ccw(c-239.73,44.934) -239.73,44.301 -206.246,44.301 ccw(c-206.246,44.68) D239.2@-205.867,44.68 cw(c-205.085,44.68) -205.085,45.462 -202.717,45.462 cw(c-202.717,45.135) -202.39,45.135 -202.39,44.934 ccw(c-201.757,44.934) -201.998,44.349 ccw(c-201.92,44.537) -201.988,44.345 -201.974,44.34 ccw(c-201.569,46.438) -201.569,44.301 -169.347,44.301 ccw(c-169.347,46.438) -168.68,44.408 ccw(c-168.743,44.601) -168.568,44.498 ccw(c-169.315,44.934) -168.45,44.934 -168.45,45.135 cw(c-168.123,45.135) -168.123,45.462 -165.882,45.462 cw(c-165.882,44.68) D235.2@-165.1,44.68 ccw(c-163.625,46.155) -164.629,44.326 ccw(c-164.531,44.504) -164.531,44.301 -163.195,44.301 -130.335,44.301 cw(c-130.334,44.098) -130.227,44.27 ccw(c-128.212,47.5) -126.197,44.27 cw(c-126.09,44.098) -126.089,44.301 -112.197,44.301 ccw(c-112.197,46.438) -111.659,44.37 ccw(c-111.71,44.567) -111.606,44.392 ccw(c-111.933,44.934) -111.3,44.934 -111.3,45.135 cw(c-110.973,45.135) -110.973,45.462 -108.478,45.462 cw(c-108.478,44.68) D233.2@-107.696,44.68 ccw(c-107.085,44.68) -107.637,44.417 ccw(c-107.453,44.504) -107.453,44.301 -97.917,44.301 -92.004,44.301 ccw(c-92.004,46.438) -91.466,44.37 ccw(c-91.517,44.567) -91.413,44.392 ccw(c-91.74,44.934) -91.107,44.934 -91.107,45.135 cw(c-90.78,45.135) -90.78,45.462 -89.56,45.462 cw(c-89.56,45.135) -89.233,45.135 -89.233,44.934 ccw(c-88.495,44.934) -89.025,44.421 ccw(c-88.879,44.562) -88.929,44.365 ccw(c-88.412,46.438) -88.412,44.301 -55.047,44.301 ccw(c-55.047,46.438) -54.509,44.37 ccw(c-54.56,44.567) -54.456,44.392 ccw(c-54.783,44.934) -54.15,44.934 -54.15,45.135 cw(c-53.823,45.135) -53.823,45.462 -51.455,45.462 cw(c-51.455,44.68) D229.2@-50.673,44.68 ; v1(-227.33,39.751) -227.203,39.751 cw(c-226.726,39.274) -226.726,39.949 -168.866,39.949 cw(c-168.866,37.006) -165.922,37.006 -165.922,31.085 ccw(c-163.382,31.085) -165.178,29.288 v1(-163.83,27.94) ; v1(-151.003,15.367) U301.12@-151.003,16.256
  Bottom Layer w0.203: v1(-242.57,45.466) -238.107,41.003 ccw(c-236.311,42.799) -236.311,40.259 -228.556,40.259 cw(c-228.556,38.525) v1(-227.33,39.751) ; v1(-163.83,27.94) -163.83,26.122 ccw(c-162.6,26.122) -162.6,24.892 -158.623,24.892 cw(c-158.623,22.352) -156.083,22.352 -156.083,16.145 ccw(c-155.88,16.146) -155.932,15.949 cw(c-156.083,15.367) -155.63,14.971 ccw(c-155.477,14.838) -155.68,14.839 -155.68,14.732 ccw(c-154.559,14.732) -155.668,14.567 ccw(c-154.559,14.732) -155.493,14.112 ccw(c-155.325,14.226) -155.49,14.108 -155.447,14.049 ccw(c-155.283,14.168) -155.444,14.044 ccw(c-154.559,14.732) -154.559,13.611 -152.759,13.611 ccw(c-152.759,15.367) -151.36,14.305 ccw(c-152.759,15.367) v1(-151.003,15.367)
P0.29/AIN5: D202.2 D204.2 D206.2 D208.2 D210.2 D212.2 D214.2 U301.8 | length 415.9
  Component Side w0.203: D214.2@-245.753,82.78 D214.2@-246.126,82.78 -246.088,82.742 ccw(c-244.292,84.538) -244.292,81.998 -228.91,81.998 ccw(c-228.91,84.538) -227.114,82.742 ccw(c-225.379,84.477) -225.379,82.023 -209.835,82.023 ccw(c-209.835,84.563) -209.826,82.023 ccw(c-209.835,84.563) -208.039,82.767 D210.2@-208.026,82.78 -207.988,82.742 ccw(c-206.192,84.538) -207.598,82.423 ccw(c-206.192,84.538) -206.192,81.998 -153.853,81.998 ccw(c-153.853,84.538) -152.605,82.326 ccw(c-153.853,84.538) -152.057,82.742 D208.2@-152.019,82.78 -151.981,82.742 ccw(c-150.185,84.538) -151.433,82.326 ccw(c-150.185,84.538) -150.185,81.998 -115.411,81.998 ccw(c-115.411,83.883) -114.079,82.55 -113.666,82.55 ccw(c-112.085,84.538) -112.085,81.998 -59.873,81.998 ccw(c-59.873,84.538) -58.625,82.326 ccw(c-59.873,84.538) -58.077,82.742 D204.2@-58.039,82.78 -58.001,82.742 ccw(c-56.205,84.538) -57.453,82.326 ccw(c-56.205,84.538) -56.253,81.998 ccw(c-56.205,84.538) -56.205,81.998 -37.358,81.998 ccw(c-37.358,82.78) D202.2@-36.576,82.78 D202.2@-36.044,82.78 ; U301.8@-148.25,13.1 -147.019,13.1 cw(c-147.018,12.897) -146.83,12.973 ccw(c-144.999,13.715) -144.889,11.743 ccw(c-144.999,13.715) -144.75,11.756 ccw(c-144.999,13.715) -143.086,13.227 ccw(c-144.999,13.715) -143.041,13.466 cw(c-142.839,13.44) -143.025,13.521 cw(c-142.343,13.227) -142.343,13.97 v1(-142.24,13.97)
  Bottom Layer w0.203: v1(-142.24,13.97) -142.156,14.054 ccw(c-143.391,15.29) -141.812,14.542 ccw(c-141.995,14.63) -141.8,14.687 cw(c-141.224,14.859) -141.644,15.29 ccw(c-141.786,15.435) -141.583,15.436 -141.583,21.276 cw(c-139.446,21.276) -141.234,22.446 cw(c-139.446,21.276) -140.177,23.283 cw(c-139.446,21.276) -139.446,23.412 -75.648,23.412 cw(c-75.648,20.066) -72.509,21.226 cw(c-75.648,20.066) -72.301,20.066 -72.301,19.431 -72.301,14.541 -72.301,13.589 ccw(c-69.358,13.589) -72.301,13.587 ccw(c-69.358,13.589) -71.959,12.211 ccw(c-69.358,13.589) -70.715,10.977 ccw(c-69.358,13.589) -69.358,10.646 -48.641,10.646 ccw(c-48.641,13.589) -45.698,13.589 -45.698,46.854 ccw(c-48.269,46.854) -46.452,48.673 -46.641,48.863 cw(c-44.88,50.624) -47.33,50.175 cw(c-47.13,50.21) -47.331,50.182 cw(c-45.212,50.455) -47.349,50.455 -47.349,59.527 cw(c-45.212,59.527) -46.722,61.039 -46.132,61.629 ccw(c-46.101,62.23) -45.95,62.812 cw(c-45.898,63.009) -46.101,63.008 -46.101,69.469 ccw(c-48.641,69.469) -48.641,72.009 -54.356,72.009 cw(c-54.356,74.549) -54.629,72.024 cw(c-54.356,74.549) -56.884,74.307 cw(c-54.356,74.549) -56.896,74.549 v1@-56.896,82.169
  other v1: -57.15,82.169